# Altium PCB PCB1.PcbDoc (part 2 of 2)
Units mm, origin at the board's own origin, x right, y up, seen from the top; angles counter-clockwise.
Board outline 100.25 x 60.33 mm, 2 copper layers (Top Layer, Bottom Layer); 66 components, 155 nets, 397 pads, 41 vias.
Unrouted connection lines stored in the file: 16.
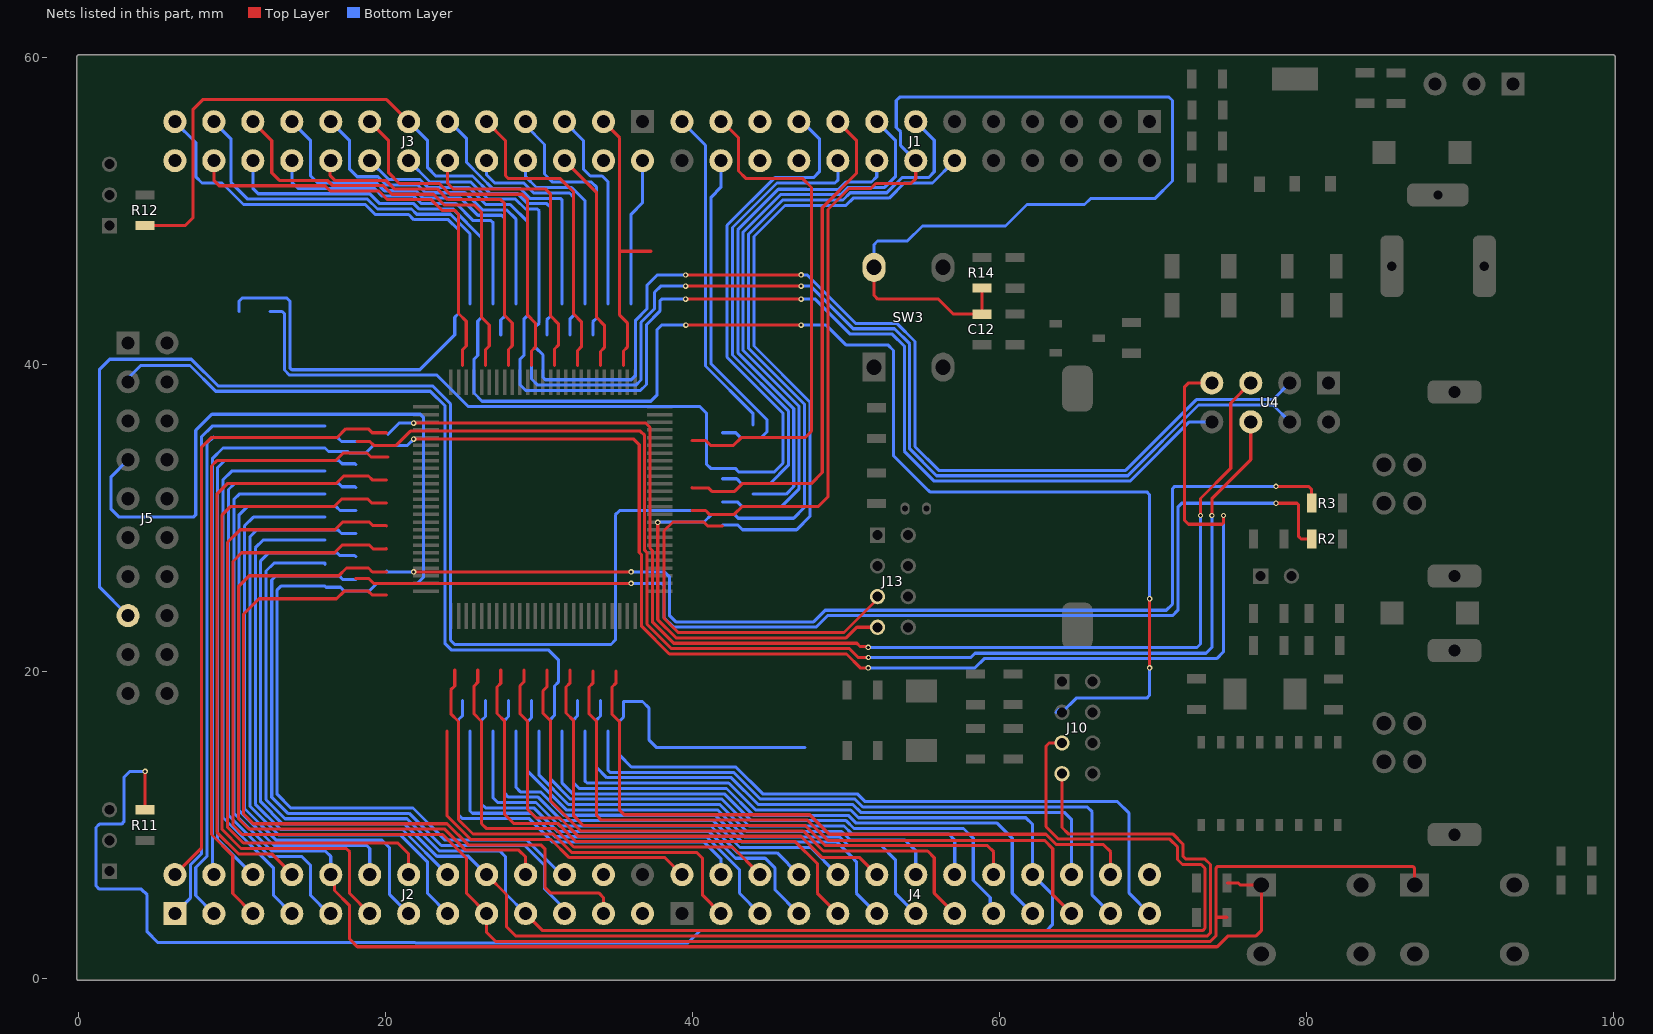
[diagram p2: the nets of this part, all layers, seen from the top]

## Via types
v1: diameter 0.35, hole 0.2, Top Layer to Bottom Layer, 41 vias

## Nets (pads, with @x,y where several pads share a name; then routed paths per layer and width w, separated by ;. In a path a pad name is that pad's centre, name@x,y a point inside that pad or via, vN(x,y) a via of type N, cw(c..) or ccw(c..) an arc to the next point about the centre after c; other vN are vias at no path point) (continued)
PIN12: J1.12 J13.5 | length 66.3
  Top Layer w0.2: 41.95,29.5 40.974,29.5 40.724,29.75 38.721,29.75 38.144,29.173 38.144,23.471 39.064,22.55 49.866,22.55 52.056,24.74 J13.5@52.056,24.892
  Bottom Layer w0.2: 41.95,29.571 42.931,29.571 43.252,29.25 46.781,29.25 47.646,30.115 47.646,37.576 44,41.222 44,48.362 46.023,50.385 49.989,50.385 50.466,50.862 52.809,50.862 53.794,51.847 55.632,51.847 J1.12@57.086,53.301
PIN13: J1.13 J13.7 | length 68.5
  Top Layer w0.2: v1(37.731,29.731) 37.731,23.388 38.919,22.2 50.011,22.2 50.704,22.892 J13.7@52.056,22.892
  Bottom Layer w0.2: v1(37.731,29.731) 37.75,29.75 40.746,29.75 41.246,30.25 41.539,30.25 42.725,30.25 42.975,30 46.585,30 47.296,30.711 47.296,37.431 43.65,41.077 43.65,48.507 45.878,50.735 49.802,50.735 50.279,51.212 52.664,51.212 53.649,52.197 55.372,52.197 55.753,52.578 55.753,54.634 J1.13@54.546,55.841
PIN14: J1.14
PIN15: J1.15 | length 39.3
  Bottom Layer w0.2: 41.95,31.071 42.916,31.071 43.237,30.75 45.77,30.75 46.946,31.926 46.946,37.286 43.3,40.932 43.3,48.652 45.733,51.085 49.657,51.085 50.134,51.562 52.519,51.562 53.213,52.256 53.213,54.634 J1.15@52.006,55.841
PIN16: J1.16 | length 32.6
  Bottom Layer w0.2: 43.95,31.571 46.096,31.571 46.596,32.071 46.596,37.141 42.95,40.787 42.95,48.796 45.593,51.439 47.416,51.439 47.421,51.435 49.512,51.435 49.989,51.912 51.662,51.912 52.006,52.256 J1.16@52.006,53.301
PIN17: J1.17 | length 33.4
  Top Layer w0.2: 39.95,32 39.968,31.982 41.027,31.982 41.259,31.75 42.74,31.75 43.24,32.25 44.361,32.25 47.725,32.25 48.45,32.975 48.45,50.244 50.673,52.467 50.673,54.634 J1.17@49.466,55.841
PIN18: J1.18 | length 31.4
  Bottom Layer w0.2: 41.95,32.571 42.873,32.571 43.194,32.25 43.539,32.25 44.361,32.25 45.052,32.25 46.246,33.444 46.246,36.996 42.6,40.642 42.6,48.941 45.506,51.847 49.288,51.847 49.466,52.025 J1.18@49.466,53.301
PIN19: J1.19 | length 70.5
  Bottom Layer w0.2: 12.45,43.475 13.25,43.475 13.4,43.325 13.4,39.66 13.735,39.325 23.345,39.325 25.395,37.275 40.482,37.275 40.906,36.851 40.906,33.519 41.175,33.25 42.781,33.25 43.031,33 43.95,33 45.307,33 45.896,33.589 45.896,36.851 42.25,40.497 42.25,49.086 45.361,52.197 47.879,52.197 48.26,52.578 48.26,54.737 47.156,55.841 J1.19@46.926,55.841
PIN20: J1.20
PIN21: J1.21
PIN22: J1.22
PIN23: J1.23 | length 33.1
  Top Layer w0.2: 39.95,35.071 39.956,35.065 40.85,35.065 41.165,34.75 42.669,34.75 43.169,35.25 43.539,35.25 44.361,35.25 47.325,35.25 47.75,35.675 47.75,51.55 47.15,52.15 43.465,52.15 42.99,52.625 42.99,54.801 41.95,55.841 J1.23@41.846,55.841
PIN24: J1.24 | length 22.6
  Bottom Layer w0.2: J1.24@41.846,53.301 41.846,51.561 41.211,50.926 41.211,40.051 44.846,36.416 44.846,35.634 44.462,35.25 43.135,35.25 42.814,35.571 41.95,35.571
PIN25: J1.25 | length 21.7
  Bottom Layer w0.2: J1.25@39.306,55.841 40.846,54.301 40.846,39.921 43.95,36.817 43.95,36.071
PIN26: J3.2 | length 9.7
  Bottom Layer w0.2: 36,43.95 36,49.812 36.74,50.552 J3.2@36.74,53.301
PIN27: J3.3 | length 18.7
  Top Layer w0.2: J3.3@34.2,55.841 35.25,54.791 35.25,47.4 ; 35.5,39.95 35.5,40.899 35.75,41.149 35.75,42.736 35.25,43.236 35.25,47.4 ; 37.291,47.4 35.25,47.4
PIN28: J3.4
PIN29: J3.5 | length 13.5
  Bottom Layer w0.2: J3.5@31.66,55.841 32.898,54.603 32.898,52.742 33.339,52.301 34.111,52.301 34.5,51.912 34.5,44.021 34.5,43.95
PIN30: J3.6 | length 14.5
  Top Layer w0.2: J3.6@31.66,53.301 33.75,51.211 33.75,43.085 34.25,42.585 34.25,41.12 34,40.87 34,40.021 34,39.95
PIN31: J3.7 | length 17.4
  Bottom Layer w0.2: J3.7@29.12,55.841 29.12,55.593 30.353,54.36 30.353,52.431 30.884,51.9 33.412,51.9 33.75,51.562 33.75,43.05 33.5,42.8 33.5,41.95
PIN32: J3.8 | length 12.3
  Bottom Layer w0.2: J3.8@29.12,53.301 29.12,52.256 29.826,51.55 32.121,51.55 33,50.671 33,44.021 33,43.95
PIN33: J3.9 | length 20.5
  Top Layer w0.2: J3.9@26.58,55.841 27.813,54.608 27.813,52.324 28.004,52.133 31.377,52.133 32.25,51.259 32.25,43.31 32.75,42.81 32.75,41.656 32.75,41.173 32.514,40.937 32.514,39.964 32.5,39.95
PIN34: J3.10 | length 16.3
  Bottom Layer w0.2: J3.10@26.58,53.301 26.58,52.366 27.099,51.847 29,51.847 29.647,51.2 31.976,51.2 32.25,50.926 32.25,43.225 32,42.975 32,41.95
PIN35: J3.11 | length 17.3
  Bottom Layer w0.2: J3.11@24.04,55.841 24.169,55.841 25.273,54.737 25.273,53.178 26.25,52.201 26.954,51.497 28.749,51.497 29.396,50.85 31.383,50.85 31.5,50.732 31.5,44.021 31.5,43.95
PIN36: J3.12 | length 20
  Top Layer w0.2: J3.12@24.04,53.301 24.04,51.816 24.39,51.466 30.392,51.466 30.75,51.108 30.75,43.176 31.25,42.676 31.25,41.275 31,41.025 31,40.021 31,39.95
PIN37: J3.13 R12.1 | length 46.3
  Top Layer w0.2: R12.1@4.318,49.071 6.921,49.071 7.45,49.6 7.45,56.653 8.075,57.278 20.063,57.278 J3.13@21.5,55.841
  Bottom Layer w0.2: J3.13@21.5,55.841 22.733,54.608 22.733,52.832 23.264,52.301 25.655,52.301 26.809,51.147 28.604,51.147 29.251,50.5 30.5,50.5 30.75,50.25 30.75,43.176 30.5,42.926 30.5,41.95
PIN38: J3.14 | length 87.2
  Top Layer w0.2: v1(39.55,45.85) 47.067,45.85 v1(47.075,45.858)
  Bottom Layer w0.2: J3.14@21.5,53.301 22.889,51.912 25.549,51.912 26.664,50.797 28.459,50.797 29.106,50.15 29.883,50.15 30,50.032 30,43.95 30,42.711 29.75,42.461 29.75,41.15 30.25,40.65 30.25,39.182 30.405,39.026 36.004,39.026 36.293,39.315 36.293,42.908 37.022,43.637 37.022,45.172 37.7,45.85 v1(39.55,45.85) ; v1(47.075,45.858) 47.46,45.858 50.618,42.7 53.311,42.7 54.499,41.512 54.499,34.663 56.043,33.119 68.224,33.119 72.83,37.725 77.825,37.725 78.92,38.82
PIN39: J3.15 | length 92.2
  Top Layer w0.2: J3.15@18.96,55.841 20.193,54.608 20.193,52.513 20.89,51.816 23.495,51.816 24.195,51.116 28.902,51.116 29.25,50.768 29.25,43.225 29.75,42.725 29.75,41.15 29.5,40.9 29.5,39.95 ; v1(39.55,45.125) v1(47.075,45.125)
  Bottom Layer w0.2: 29.5,39.95 29.5,39.075 29.9,38.675 36.305,38.675 36.643,39.013 36.643,42.763 37.522,43.642 37.522,44.722 37.925,45.125 v1(39.55,45.125) ; v1(47.075,45.125) 47.698,45.125 50.473,42.35 53.166,42.35 54.149,41.367 54.149,34.518 55.898,32.769 68.369,32.769 72.975,37.375 77.825,37.375 78.92,36.28
PIN40: J3.16 | length 83.7
  Top Layer w0.2: v1(39.55,44.275) v1(47.075,44.275)
  Bottom Layer w0.2: J3.16@18.96,53.301 20.191,52.07 22.236,52.07 22.744,51.562 25.404,51.562 26.519,50.447 28.116,50.447 29.25,49.313 29.25,43.539 ; 29.25,43.539 29.25,43.225 29,42.975 29,41.95 29,40.611 28.75,40.361 28.75,38.695 29.12,38.325 36.6,38.325 36.993,38.718 36.993,42.618 37.872,43.497 37.872,44.155 37.991,44.275 v1(39.55,44.275) ; v1(47.075,44.275) 48.004,44.275 50.279,42 53.021,42 53.799,41.222 53.799,34.373 55.753,32.419 68.514,32.419 72.375,36.28 73.84,36.28
PIN41: J3.17 | length 21.3
  Bottom Layer w0.2: J3.17@16.42,55.841 17.653,54.608 17.653,52.742 18.139,52.256 19.499,52.256 20.035,51.72 20.828,51.72 20.837,51.711 22.1,51.711 22.599,51.212 25.175,51.212 26.29,50.097 27.879,50.097 28.5,49.476 28.5,44.021 28.5,43.95
PIN42: J3.18 | length 24
  Top Layer w0.2: J3.18@16.42,53.301 16.383,53.264 16.383,52.324 16.686,52.021 20.005,52.021 20.56,51.466 23.35,51.466 24.05,50.766 27.5,50.766 27.75,50.516 27.75,43.539 27.74,43.529 27.74,43.236 28.25,42.726 28.25,41.249 28,40.999 28,40.021 28,39.95
PIN43: J3.19 | length 25.5
  Bottom Layer w0.2: J3.19@13.88,55.841 15.113,54.608 15.113,52.301 15.567,51.847 19.413,51.847 19.916,51.344 21.972,51.344 22.454,50.862 24.888,50.862 26.003,49.747 27.558,49.747 27.75,49.555 27.75,43.166 27.5,42.916 27.5,41.95
PIN44: J3.20 | length 20.9
  Bottom Layer w0.2: J3.20@13.88,53.301 13.88,51.9 14.282,51.497 19.268,51.497 19.771,50.994 21.827,50.994 22.309,50.512 24.592,50.512 25.707,49.397 26.869,49.397 27,49.266 27,43.95
PIN45: J3.21 | length 28.9
  Top Layer w0.2: J3.21@11.34,55.841 12.573,54.608 12.573,52.513 13.066,52.021 16.191,52.021 16.541,51.671 19.86,51.671 20.415,51.116 23.114,51.116 23.814,50.416 25.781,50.416 26.25,49.947 26.25,43.092 26.75,42.592 26.75,41.228 26.5,40.978 26.5,39.95
PIN46: J3.22 | length 105.3
  Top Layer w0.2: v1(39.558,42.585) v1(47.078,42.585) ; v1(69.786,20.25) v1(69.786,24.75)
  Bottom Layer w0.2: J3.22@11.34,53.301 11.34,51.497 11.69,51.147 18.96,51.147 19.608,50.499 21.827,50.499 22.164,50.162 24.37,50.162 26.25,48.282 26.25,43.092 26,42.842 26,41.95 26,40.611 25.75,40.361 25.75,39.725 25.75,38.156 26.281,37.625 37.276,37.625 37.693,38.043 37.693,42.298 37.98,42.585 v1(39.558,42.585) ; v1(47.078,42.585) 48.704,42.585 49.989,41.3 52.731,41.3 53.099,40.932 53.099,34.071 55.344,31.826 55.356,31.826 55.463,31.719 69.604,31.719 69.786,31.537 v1(69.786,24.75) ; 63.696,17.35 63.885,17.54 ; 64.075,17.35 65,18.275 69.604,18.275 69.786,18.457 v1(69.786,20.25)
PIN47: J3.23 | length 26
  Bottom Layer w0.2: J3.23@8.8,55.841 9.906,54.735 9.906,51.9 11.008,50.797 18.815,50.797 19.463,50.149 21.682,50.149 22.019,49.812 24.225,49.812 25.5,48.537 25.5,44.021 25.5,43.95
PIN48: J3.24 | length 28.3
  Top Layer w0.2: J3.24@8.8,53.301 8.8,52.021 9.152,51.669 16.048,51.669 16.396,51.321 19.558,51.321 20.113,50.766 22.969,50.766 23.669,50.066 24.5,50.066 24.75,49.816 24.75,43.815 24.75,43.338 25.25,42.838 25.25,41.228 25,40.978 25,40.021 25,39.95
PIN49: J3.25 | length 49.9
  Bottom Layer w0.2: J3.25@6.26,55.841 7.62,54.481 7.62,52.256 8.029,51.847 9.33,51.847 10.73,50.447 18.67,50.447 19.318,49.799 21.5,49.799 21.837,49.462 24.08,49.462 24.75,48.792 24.75,43.338 24.5,43.088 24.5,41.95 22.225,39.675 13.88,39.675 13.75,39.805 13.75,44.155 13.551,44.354 10.65,44.354 10.451,44.155 10.451,43.476 10.45,43.475
PIN50: J3.26
PIN51: J2.1 | length 40.1
  Bottom Layer w0.2: J2.1@6.26,4.23 7.27,5.24 7.27,7.397 8.001,8.128 8.001,35.309 8.692,36 16.05,36
PIN52: J2.2 | length 126.3
  Top Layer w0.2: J2.2@6.26,6.77 7.989,8.499 7.989,34.614 8.625,35.25 15.639,35.25 16.645,35.25 16.829,35.25 17.4,35.821 18.864,35.821 19.114,35.571 20.05,35.571 ; v1(21.825,36.2) 36.95,36.2 37.225,35.925 37.225,28.051 37.381,27.895 37.381,23.243 38.774,21.85 50.7,21.85 50.911,21.638 51.393,21.638 v1(51.45,21.581) ; v1(73.1,30.178) 73.1,31.281 75.075,33.256 75.075,37.515 76.38,38.82
  Bottom Layer w0.2: 20.152,35.469 20.883,36.2 v1(21.825,36.2) ; v1@51.45,21.575 72.875,21.575 73.1,21.8 v1(73.1,30.178)
PIN53: J2.3 | length 126.9
  Top Layer w0.2: 18.121,35 18.967,35 19.217,34.75 20.679,34.75 21.604,35.675 36.6,35.675 36.875,35.4 36.875,27.906 37.031,27.75 37.031,23.098 38.629,21.5 50.225,21.5 50.799,20.926 v1(51.453,20.926) ; v1(73.84,30.178) 73.84,31.277 76.38,33.817 76.38,36.28
  Bottom Layer w0.2: J2.3@8.8,4.23 7.62,5.41 7.62,7.239 8.351,7.97 8.351,34.871 8.765,35.285 8.801,35.25 16.461,35.25 16.873,35.25 17.123,35 18.05,35 ; v1(51.453,20.926) 58.138,20.926 58.412,21.2 73.465,21.2 73.84,21.575 v1(73.84,30.178)
PIN54: J2.4 | length 129.9
  Top Layer w0.2: v1(21.825,35.15) 36.171,35.15 36.525,34.796 36.525,27.761 36.681,27.605 36.681,22.953 38.485,21.15 50.028,21.15 50.928,20.25 v1(51.45,20.25) ; 73.84,38.82 72.336,38.82 72.05,38.534 72.05,29.879 72.321,29.608 74.508,29.608 74.6,29.7 v1(74.6,30.175)
  Bottom Layer w0.2: J2.4@8.8,6.77 8.701,6.869 8.701,33.881 9.391,34.571 16.05,34.571 16.274,34.347 17.542,34.347 17.639,34.25 18.461,34.25 ; 18.461,34.25 18.71,34.25 19.21,34.75 21.425,34.75 v1(21.825,35.15) ; v1(51.45,20.25) 58.41,20.25 59.01,20.85 74.154,20.85 74.6,21.296 v1(74.6,30.175)
PIN55: J2.5 | length 42.2
  Top Layer w0.2: J2.5@11.34,4.23 10.033,5.537 10.033,8.001 8.643,9.391 8.643,33.4 8.993,33.75 16.729,33.75 17.229,34.25 18.781,34.25 19.045,33.986 20.135,33.986
PIN56: J2.6 | length 36.8
  Bottom Layer w0.2: J2.6@11.34,6.77 9.051,9.059 9.051,33.308 9.493,33.75 16.962,33.75 17.161,33.552 17.998,33.552 18.05,33.5
PIN57: J2.7 | length 37
  Bottom Layer w0.2: J2.7@13.88,4.23 12.7,5.41 12.7,7.197 9.401,10.496 9.401,32.512 9.96,33.071 16.05,33.071
PIN58: J2.8 | length 39.7
  Top Layer w0.2: J2.8@13.88,6.77 13.88,6.821 12.573,8.128 10.401,8.128 8.993,9.536 8.993,31.568 9.675,32.25 15.639,32.25 16.756,32.25 17.256,32.75 18.874,32.75 19.124,32.5 20.05,32.5
PIN59: J2.9 | length 40.3
  Bottom Layer w0.2: J2.9@16.42,4.23 16.293,4.23 15.113,5.41 15.113,7.362 14.511,7.964 12.428,7.964 9.751,10.641 9.751,31.877 10.124,32.25 16.952,32.25 17.15,32.052 17.998,32.052 18.05,32
PIN60: J2.10 | length 105.2
  Top Layer w0.2: J2.10@16.42,6.77 16.669,6.521 16.669,5.731 17.653,4.747 17.653,2.574 18.155,2.072 74.194,2.072 74.907,2.786 76.73,2.786 77.066,3.122 77.066,6.096 77.062,6.1 75.69,6.1 75.567,6.223 74.84,6.223
  Bottom Layer w0.2: 16.05,31.571 10.453,31.571 10.101,31.219 10.101,10.786 12.573,8.314 16.07,8.314 16.42,7.964 J2.10@16.42,6.77
PIN61: J2.11 | length 45.2
  Top Layer w0.2: J2.11@18.96,4.23 17.653,5.537 17.653,8.255 17.43,8.478 10.575,8.478 9.343,9.71 9.343,30.218 9.875,30.75 16.627,30.75 17.127,31.25 18.461,31.25 18.829,31.25 19.079,31 20.05,31
PIN62: J2.12 | length 38.4
  Bottom Layer w0.2: 18.05,30.5 17.018,30.5 16.768,30.75 10.975,30.75 10.451,30.226 10.451,10.931 12.718,8.664 18.768,8.664 18.96,8.472 J2.12@18.96,6.77
PIN63: J2.13 | length 39.2
  Bottom Layer w0.2: 16.05,30.071 11.372,30.071 10.801,29.5 10.801,11.076 12.863,9.014 19.756,9.014 20.261,8.509 20.261,5.469 J2.13@21.5,4.23
PIN64: J2.14 | length 43.5
  Top Layer w0.2: 16.531,29.25 16.697,29.25 17.197,29.75 18.928,29.75 19.15,29.528 20.022,29.528 20.05,29.5 ; 16.531,29.25 10.516,29.25 9.693,28.427 9.693,9.855 10.72,8.828 20.787,8.828 21.5,8.115 J2.14@21.5,6.77
PIN65: J2.15 | length 41.8
  Bottom Layer w0.2: 18.05,29 17.123,29 16.873,29.25 11.6,29.25 11.151,28.801 11.151,11.221 13.008,9.364 20.951,9.364 22.733,7.582 22.733,5.537 J2.15@24.04,4.23
PIN66: J2.16 | length 35.9
  Bottom Layer w0.2: 16.05,28.571 12.005,28.571 11.501,28.067 11.501,11.366 13.153,9.714 21.096,9.714 J2.16@24.04,6.77
PIN67: J2.17 | length 116.4
  Top Layer w0.2: 19.979,28 19.178,28 18.928,28.25 17.162,28.25 16.662,27.75 10.608,27.75 10.043,27.185 10.043,10 10.656,9.386 23.71,9.386 25.273,7.824 25.273,5.537 J2.17@26.58,4.23 26.58,2.994 27.152,2.422 73.751,2.422 74.101,2.772 74.101,4.03 ; 20.014,28.035 20.05,28 ; 74.84,3.992 74.14,3.992 74.101,4.03 ; 87.062,6.096 87.062,7.179 86.933,7.308 80.292,7.308 74.23,7.308 74.101,7.179 74.101,4.03
PIN68: J2.18 | length 108.2
  Top Layer w0.2: J2.18@26.58,6.77 27.879,5.471 27.879,3.369 28.476,2.772 73.547,2.772 73.751,2.976 73.751,7.433 73.401,7.783 72.158,7.783 71.95,7.991 71.95,8.77 71.29,9.43 64.484,9.43 64.075,9.839 64.075,13.35
  Bottom Layer w0.2: 18.05,27.5 17.979,27.571 17.006,27.571 16.827,27.75 12.38,27.75 11.851,27.221 11.851,11.511 13.298,10.064 21.241,10.064 23.335,7.97 25.38,7.97 J2.18@26.58,6.77
PIN69: J2.19 | length 107.5
  Top Layer w0.2: J2.19@29.12,4.23 30.228,3.122 73.244,3.122 73.401,3.28 73.401,7.179 73.148,7.433 71.925,7.433 71.6,7.758 71.6,8.581 71.101,9.08 63.85,9.08 63.031,9.899 63.031,15.148 63.234,15.35 64.075,15.35
  Bottom Layer w0.2: 16.05,27 16.05,27.071 12.716,27.071 12.201,26.556 12.201,11.656 13.443,10.414 21.386,10.414 23.48,8.32 27.431,8.32 27.813,7.938 27.813,5.537 J2.19@29.12,4.23
PIN70: J2.20 | length 46.3
  Top Layer w0.2: 20.05,26.5 19.13,26.5 18.88,26.75 17.448,26.75 16.948,26.25 11.109,26.25 10.393,25.534 10.393,10.435 11.092,9.736 23.855,9.736 25.226,8.366 28.67,8.366 29.12,7.916 J2.20@29.12,6.77
PIN71: J2.21 | length 43.2
  Bottom Layer w0.2: 18.05,26 17.223,26 16.973,26.25 16.461,26.25 15.639,26.25 12.852,26.25 12.573,25.971 12.573,11.814 13.623,10.764 21.531,10.764 23.625,8.67 29.062,8.67 30.353,7.379 30.353,5.842 31.66,4.535 J2.21@31.66,4.23
PIN72: J2.22 | length 85.1
  Bottom Layer w0.2: 3.211,33.81 2.111,32.711 2.111,30.585 2.625,30.071 7.465,30.071 7.62,30.226 7.62,35.725 8.67,36.775 22.25,36.775 22.475,36.55 22.475,26.166 22.059,25.75 19.412,25.75 18.912,25.25 17.299,25.25 17.049,25.5 16.121,25.5 16.05,25.571 13.166,25.571 12.923,25.328 12.923,12.002 13.811,11.114 21.779,11.114 23.873,9.02 29.207,9.02 31.457,6.77 J2.22@31.66,6.77
PIN73: J2.23 | length 51.3
  Top Layer w0.2: 20.05,25 19.117,25 18.867,25.25 17.299,25.25 16.799,24.75 11.737,24.75 10.743,23.756 10.743,10.72 11.377,10.086 24,10.086 25.371,8.716 30.108,8.716 30.392,8.432 30.392,5.926 30.754,5.563 33.908,5.563 34.2,5.272 J2.23@34.2,4.23
PIN74: J2.24
PIN75: J2.25
PIN76: J4.2 | length 22.4
  Top Layer w0.2: 24,16.121 24,16.05 24,10.602 25.536,9.066 30.777,9.066 31.969,7.874 38.202,7.874 J4.2@39.306,6.77
PIN77: J4.3 | length 31.1
  Top Layer w0.2: 24.5,20.121 24.5,20.05 24.5,19.068 24.25,18.818 24.25,17.25 24.75,16.75 24.75,10.357 25.691,9.416 30.922,9.416 32.114,8.224 40.258,8.224 40.659,7.824 40.659,5.418 J4.3@41.846,4.23
PIN78: J4.4 | length 26.9
  Bottom Layer w0.2: 25,18.121 25,17.126 24.75,16.876 24.75,10.67 25,10.42 29.359,10.42 30.889,8.89 40.761,8.89 41.846,7.805 J4.4@41.846,6.77
PIN79: J4.5 | length 27.8
  Bottom Layer w0.2: 25.5,16.121 25.5,10.924 25.654,10.77 29.504,10.77 31.034,9.24 40.906,9.24 43.053,7.093 43.053,5.563 J4.5@44.386,4.23
PIN80: J4.6 | length 29.9
  Top Layer w0.2: 26,20.121 26,19.3 25.75,19.05 25.75,17.25 26.25,16.75 26.25,10.096 26.58,9.766 31.067,9.766 32.259,8.574 42.607,8.574 44.386,6.795 J4.6@44.386,6.77
PIN81: J4.7 | length 31.3
  Bottom Layer w0.2: 26.5,18.121 26.5,18.05 26.5,17.075 26.25,16.825 26.25,11.37 26.5,11.12 29.649,11.12 31.179,9.59 41.051,9.59 42.804,7.837 44.734,7.837 45.386,7.185 45.386,5.77 J4.7@46.926,4.23
PIN82: J4.8 | length 26.3
  Bottom Layer w0.2: 27,16.121 27,11.771 27.301,11.47 29.794,11.47 31.324,9.94 41.196,9.94 42.949,8.187 45.509,8.187 J4.8@46.926,6.77
PIN83: J4.9 | length 35.3
  Top Layer w0.2: 27.5,20.121 27.5,20.05 27.5,19.246 27.25,18.996 27.25,17.274 27.75,16.774 27.75,10.696 28.33,10.116 31.212,10.116 32.404,8.924 46.702,8.924 48.133,7.493 48.133,5.563 J4.9@49.466,4.23
PIN84: J4.10 | length 30.1
  Bottom Layer w0.2: 28,18.121 28,17.078 27.75,16.828 27.75,16.256 27.75,12.067 27.997,11.82 29.939,11.82 31.469,10.29 41.341,10.29 43.094,8.537 47.699,8.537 J4.10@49.466,6.77
PIN85: J4.11 | length 31.8
  Bottom Layer w0.2: 28.5,16.121 28.5,12.449 28.779,12.17 30.084,12.17 31.614,10.64 41.486,10.64 43.239,8.887 49.429,8.887 50.371,7.945 50.371,7.922 50.673,7.62 50.673,5.563 J4.11@52.006,4.23
PIN86: J4.12 | length 33.9
  Top Layer w0.2: 29,20.121 29,20.05 29,19.326 28.75,19.076 28.75,17.25 29.25,16.75 29.25,11.019 29.803,10.466 31.357,10.466 32.549,9.274 47.062,9.274 48.462,7.874 50.902,7.874 J4.12@52.006,6.77
PIN87: J4.13 | length 35.1
  Bottom Layer w0.2: 29.5,18.121 29.5,17.001 29.25,16.751 29.25,16.532 29.25,13.499 31.759,10.99 41.631,10.99 43.384,9.237 49.574,9.237 50.147,8.664 52.296,8.664 53.213,7.747 53.213,5.563 J4.13@54.546,4.23
PIN88: J4.14 | length 31
  Bottom Layer w0.2: 30,16.121 30,13.244 31.904,11.34 41.776,11.34 43.529,9.587 49.719,9.587 50.292,9.014 53.851,9.014 54.546,8.319 J4.14@54.546,6.77
PIN89: J4.15 | length 39.6
  Top Layer w0.2: 30.5,20.121 30.5,20.05 30.5,18.996 30.25,18.746 30.25,18.532 30.25,17.282 30.75,16.782 30.75,11.568 32.694,9.624 47.207,9.624 48.523,8.308 55.319,8.308 55.753,7.874 55.753,5.563 J4.15@57.086,4.23
PIN90: J4.16 | length 83.8
  Bottom Layer w0.2: 3.048,38.961 4.037,39.95 7.246,39.95 8.921,38.275 22.91,38.275 23.875,37.31 23.875,21.82 24.27,21.425 30.6,21.425 31.25,20.775 31.25,19.318 31,19.068 31,18.05 31,17.157 30.75,16.907 30.75,12.989 32.049,11.69 41.921,11.69 43.674,9.937 49.866,9.937 50.376,9.428 56.675,9.428 57.086,9.017 J4.16@57.086,6.77
PIN91: J4.17 | length 37.1
  Bottom Layer w0.2: 31.5,16.121 31.5,12.734 32.194,12.04 42.066,12.04 43.819,10.287 50.011,10.287 50.521,9.778 57.657,9.778 58.293,9.141 58.293,6.387 59.399,5.28 59.399,4.457 J4.17@59.626,4.23
PIN92: J4.18 | length 39.7
  Top Layer w0.2: 32,20.121 32,20.05 32,19.246 31.75,18.996 31.75,17.3 32.25,16.8 32.25,10.607 32.883,9.974 47.352,9.974 48.668,8.658 59.223,8.658 59.626,8.255 J4.18@59.626,6.77
PIN93: J4.19 | length 41
  Bottom Layer w0.2: 32.5,18.121 32.5,18.05 32.5,17.125 32.25,16.875 32.25,12.742 32.598,12.394 32.968,12.394 32.972,12.39 42.211,12.39 43.964,10.637 50.156,10.637 50.666,10.128 59.849,10.128 60.833,9.144 60.833,5.563 J4.19@62.166,4.23
PIN94: J4.20 R11.1 | length 119.2
  Top Layer w0.2: R11.1@4.318,11 v1(4.318,13.5)
  Bottom Layer w0.2: v1(4.318,13.5) v1(4.318,13.5) 3.332,13.499 2.938,13.104 2.938,10.209 2.793,10.064 1.335,10.064 1.114,9.843 1.114,6.046 1.335,5.825 4.075,5.825 4.45,5.45 4.45,3.043 5.143,2.35 21.924,2.35 21.949,2.325 39.7,2.325 40.506,3.131 63.081,3.131 63.45,3.5 63.45,5.486 J4.20@62.166,6.77 62.166,10.035 61.723,10.477 50.811,10.477 50.301,10.987 44.109,10.987 42.356,12.74 33.117,12.74 33,12.857 33,16.05 33,16.121
PIN95: J4.21 | length 45.1
  Top Layer w0.2: 33.5,20.05 33.5,19.246 33.25,18.996 33.25,17.25 33.75,16.75 33.75,10.624 34.05,10.324 47.497,10.324 48.813,9.008 62.932,9.008 63.475,8.465 63.475,5.461 J4.21@64.706,4.23
PIN96: J4.22 | length 40.4
  Bottom Layer w0.2: 34,18.121 34,17.109 33.75,16.859 33.75,13.757 34.417,13.09 42.527,13.09 44.28,11.337 50.446,11.337 50.956,10.827 64.23,10.827 64.706,10.351 J4.22@64.706,6.77
PIN97: J4.23 | length 42.3
  Bottom Layer w0.2: 34.5,16.121 34.5,13.557 34.617,13.44 42.672,13.44 44.425,11.687 50.591,11.687 51.101,11.177 65.722,11.177 66.04,10.859 66.04,5.436 J4.23@67.246,4.23
PIN98: J4.24 | length 44
  Top Layer w0.2: 35,20.05 35,19.246 34.75,18.996 34.75,17.224 35.25,16.724 35.25,10.97 35.546,10.674 47.642,10.674 48.912,9.404 63.031,9.404 63.705,8.73 66.771,8.73 67.246,8.255 J4.24@67.246,6.77
PIN99: J4.25 | length 59.7
  Bottom Layer w0.2: 47.325,15.05 37.665,15.05 37.15,15.565 37.15,17.64 36.74,18.05 35.5,18.05 35.5,17.032 35.25,16.782 35.25,14.547 36.007,13.79 42.816,13.79 44.569,12.037 50.736,12.037 51.245,11.527 67.69,11.527 68.453,10.764 68.453,5.563 J4.25@69.786,4.23
PIN100: J4.26
RESET: C12.1 J5.15 R14.1 SW3.2 | length 178.2
  Top Layer w0.2: 39.95,30.5 40.85,30.5 41.094,30.256 41.094,30.25 41.539,30.25 42.543,30.25 42.725,30.25 43.225,30.75 44.1,30.75 48.175,30.75 48.824,31.399 48.824,50.123 50.195,51.494 50.743,51.494 50.75,51.501 51.628,51.501 51.943,51.816 54.229,51.816 54.546,52.133 54.546,53.301 ; SW3.2@51.825,46.35 51.825,44.525 52.075,44.275 56.033,44.275 57.008,43.3 C12.1@58.85,43.3 R14.1@58.85,45
  Bottom Layer w0.2: J5.15@3.211,23.65 1.335,25.526 1.335,39.678 2.018,40.361 7.33,40.361 9.066,38.625 23.055,38.625 24.225,37.455 24.225,22.05 24.5,21.775 34.681,21.775 34.97,22.064 34.97,30.22 35.25,30.5 39.879,30.5 ; SW3.2@51.825,46.35 51.825,47.831 52.056,48.062 53.996,48.062 54.981,49.047 60.397,49.047 61.797,50.447 65.55,50.447 65.931,50.828 70.126,50.828 71.275,51.977 71.275,57.225 71.055,57.445 53.495,57.445 53.275,57.225 53.275,55.469 53.563,55.181 53.563,54.284 54.546,53.301
SPI2_MISO: U4.6
SPI2_MOSI: U4.7
SPI2_SCK: U4.5
UART1_RX: J10.5
UART1_TX: J10.7
USBDM: R3.2 | length 72.2
  Top Layer w0.2: v1(21.825,26.5) v1(36,26.5) ; v1(78.025,32.075) 80.142,32.075 80.35,31.867 R3.2@80.35,30.977
  Bottom Layer w0.2: 20.05,26.5 v1(21.825,26.5) ; 20.05,26.571 20.068,26.553 ; v1(36,26.5) 38.184,26.5 38.489,26.196 38.489,23.675 38.914,23.25 47.895,23.25 48.645,24 70.875,24 71.275,24.4 71.275,31.926 71.424,32.075 v1(78.025,32.075)
USBDP: R2.2 | length 74.3
  Top Layer w0.2: 18.05,26.071 18.896,26.071 19.217,25.75 v1(36,25.752) v1(36,25.752) ; v1(78.025,30.977) 79.383,30.977 79.5,30.86 79.5,28.8 79.65,28.65 R2.2@80.35,28.65
  Bottom Layer w0.2: v1(36,25.752) 37.991,25.752 38.139,25.604 38.139,23.53 38.769,22.9 48.04,22.9 48.79,23.65 71.275,23.65 71.625,24 71.625,30.725 71.877,30.977 v1(78.025,30.977)
pads on no net: J5.11 J5.17 J5.19 J7.3 J8.S1 J8.S2 J9.S1 J9.S2 SW1.2 SW1.3 SW2.2 SW2.3 SW3.1 SW3.4 U1.1 U1.2 U1.3 U1.4 U1.5 U1.6 U1.7 U1.8 U1.9 U1.10 U1.11 U1.12 U1.13 U1.14 U1.15 U1.16 U1.17 U1.18 U1.19 U1.20 U1.21 U1.22 U1.23 U1.24 U1.25 U1.26 U1.27 U1.28 U1.29 U1.30 U1.31 U1.32 U1.33 U1.34 U1.35 U1.36 U1.37 U1.38 U1.39 U1.40 U1.41 U1.42 U1.43 U1.44 U1.45 U1.46 U1.47 U1.48 U1.49 U1.50 U1.51 U1.52 U1.53 U1.54 U1.55 U1.56 U1.57 U1.58 U1.59 U1.60 U1.61 U1.62 U1.63 U1.64 U1.65 U1.66 U1.67 U1.68 U1.69 U1.70 U1.71 U1.72 U1.73 U1.74 U1.75 U1.76 U1.77 U1.78 U1.79 U1.80 U1.81 U1.82 U1.83 U1.84 U1.85 U1.86 U1.87 U1.88 U1.89 U1.90 U1.91 U1.92 U1.93 U1.94 U1.95 U1.96 U1.97 U1.98 U1.99 U1.100 U2.4 U3.9 U3.10 U3.11 U3.12 U3.13 U3.14 U3.15
copper on no net: | length 58.6
  Top Layer w0.2: 10.45,41.475 10.45,39.832 10.743,39.539 12.376,39.539 ; 16.05,24 16.05,19.311 16.293,19.068 23.2,19.068 23.45,19.318 23.45,20.875 23.725,21.15 35.875,21.15 36.25,20.775 36.25,17.114 36,16.864 36,16.05 ; 17.05,12.609 19.378,12.609
  Bottom Layer w0.2: 15.05,12.609 15.05,13.896 15.635,14.481 21.096,14.481 22.475,15.86 22.475,24.584 22.059,25 20.05,25

## Silkscreen, mask and mechanical layers (free items; w line width, h text height)
Top Overlay:
  lines w0.254: 82.721,35.019 82.721,40.02 72.57,40.02 72.57,35.01 82.73,35.01 ; 4.991,52.031 4.991,57.111 71.056,57.111 71.056,52.031 71.056,52.031 4.991,52.031 ; 4.991,52.031 4.991,52.031 ; 71.055,2.96 4.99,2.96 4.99,8.04 71.055,8.04 ; 71.055,2.96 71.055,2.96 ; 71.055,2.96 71.055,8.04 ; 71.055,8.04 71.055,8.04 ; 1,6 3,6 3,12 1,12 1,6 ; 1,48.071 3,48.071 3,54.071 1,54.071 1,48.071 ; 14.05,11.609 18.05,11.609 18.05,13.609 14.05,13.609 14.05,11.609 ; 36.291,46.4 40.291,46.4 40.291,48.4 36.291,48.4 36.291,46.4 ; 46.725,14.024 48.725,14.024 48.725,18.024 46.725,18.024 46.725,14.024 ; 87.122,57.023 94.742,57.023 94.742,59.563 87.122,59.563 87.122,57.023
  text "GND" at 36.15,59.75 h0.8 r270
  text "49" at 5.75,59.5 h1.3 r270
  text "47" at 8.175,59.5 h1.3 r270
  text "45" at 10.8,59.5 h1.3 r270
  text "43" at 13.226,59.5 h1.3 r270
  text "35" at 23.325,59.5 h1.3 r270
  text "25" at 38.621,59.5 h1.3 r270
  text "23" at 41.225,59.5 h1.3 r270
  text "21" at 43.65,59.5 h1.3 r270
  text "19" at 46.225,59.5 h1.3 r270
  text "13" at 53.95,59.5 h1.3 r270
  text "07" at 61.5,59.5 h1.3 r270
  text "03" at 66.625,59.5 h1.3 r270
  text "41" at 15.7,59.49 h1.3 r270
  text "39" at 18.25,59.49 h1.3 r270
  text "37" at 20.85,59.49 h1.3 r270
  text "33" at 26,59.49 h1.3 r270
  text "31" at 28.5,59.49 h1.3 r270
  text "29" at 31,59.49 h1.3 r270
  text "27" at 33.5,59.49 h1.3 r270
  text "17" at 48.775,59.49 h1.3 r270
  text "15" at 51.475,59.49 h1.3 r270
  text "11" at 56.55,59.49 h1.3 r270
  text "09" at 58.925,59.49 h1.3 r270
  text "05" at 63.934,59.49 h1.3 r270
  text "01" at 69.2,59.35 h1.3 r270
  text "26" at 36.099,51.859 h1.3 r270
  text "06" at 64.103,51.86 h1.3 r270
  text "VCC" at 5.693,51.825 h0.8 r270
  text "48" at 8.233,51.825 h1.3 r270
  text "46" at 10.683,51.825 h1.3 r270
  text "44" at 13.312,51.825 h1.3 r270
  text "42" at 15.852,51.825 h1.3 r270
  text "40" at 18.392,51.823 h1.3 r270
  text "38" at 20.932,51.823 h1.3 r270
  text "36" at 23.472,51.823 h1.3 r270
  text "34" at 25.933,51.823 h1.3 r270
  text "32" at 28.552,51.825 h1.3 r270
  text "30" at 31.103,51.823 h1.3 r270
  text "VCC" at 33.632,51.823 h0.8 r270
  text "VCC" at 38.875,51.825 h0.8 r270
  text "24" at 41.279,51.823 h1.3 r270
  text "22" at 43.818,51.822 h1.3 r270
  text "20" at 46.358,51.822 h1.3 r270
  text "18" at 48.898,51.822 h1.3 r270
  text "16" at 51.438,51.822 h1.3 r270
  text "14" at 53.978,51.822 h1.3 r270
  text "12" at 56.274,51.822 h1.3 r270
  text "10" at 58.987,51.822 h1.3 r270
  text "08" at 61.429,51.822 h1.3 r270
  text "04" at 66.525,51.822 h1.3 r270
  text "02" at 69.2,51.821 h1.3 r270
  text "52" at 5.751,10.5 h1.3 r270
  text "54" at 8.179,10.5 h1.3 r270
  text "56" at 10.719,10.5 h1.3 r270
  text "58" at 13.259,10.5 h1.3 r270
  text "60" at 15.799,10.5 h1.3 r270
  text "62" at 18.339,10.5 h1.3 r270
  text "64" at 20.879,10.5 h1.3 r270
  text "66" at 23.419,10.5 h1.3 r270
  text "68" at 25.959,10.5 h1.3 r270
  text "70" at 28.499,10.5 h1.3 r270
  text "72" at 31.039,10.5 h1.3 r270
  text "VCC" at 36.3,10.5 h0.8 r270
  text "76" at 38.686,10.5 h1.3 r270
  text "78" at 41.225,10.5 h1.3 r270
  text "80" at 43.765,10.5 h1.3 r270
  text "82" at 46.305,10.5 h1.3 r270
  text "84" at 48.845,10.5 h1.3 r270
  text "86" at 51.385,10.5 h1.3 r270
  text "88" at 53.925,10.5 h1.3 r270
  text "90" at 56.465,10.5 h1.3 r270
  text "92" at 59.005,10.5 h1.3 r270
  text "94" at 61.545,10.5 h1.3 r270
  text "96" at 64.085,10.5 h1.3 r270
  text "98" at 66.625,10.5 h1.3 r270
  text "VCC" at 69.2,10.5 h0.8 r270
  text "GND" at 33.825,10.45 h0.8 r270
  text "51" at 5.539,2.695 h1.3 r270
  text "53" at 8.079,2.694 h1.3 r270
  text "55" at 10.619,2.681 h1.3 r270
  text "57" at 13.159,2.692 h1.3 r270
  text "59" at 15.699,2.681 h1.3 r270
  text "61" at 18.239,2.681 h1.3 r270
  text "63" at 20.779,2.681 h1.3 r270
  text "67" at 25.859,2.692 h1.3 r270
  text "69" at 28.399,2.691 h1.3 r270
  text "71" at 30.949,2.689 h1.3 r270
  text "VCC" at 36.3,2.692 h0.8 r270
  text "77" at 41.125,2.687 h1.3 r270
  text "79" at 43.665,2.685 h1.3 r270
  text "81" at 46.205,2.684 h1.3 r270
  text "85" at 51.285,2.682 h1.3 r270
  text "87" at 53.825,2.681 h1.3 r270
  text "65" at 23.319,2.679 h1.3 r270
  text "73" at 33.479,2.679 h1.3 r270
  text "83" at 48.745,2.678 h1.3 r270
  text "89" at 56.365,2.679 h1.3 r270
  text "91" at 58.92,2.678 h1.3 r270
  text "93" at 61.445,2.678 h1.3 r270
  text "95" at 63.985,2.678 h1.3 r270
  text "97" at 66.525,2.678 h1.3 r270
  text "99" at 69.065,2.676 h1.3 r270
  text "GND" at 38.95,2.65 h0.8 r270
Mechanical 1:
  drawing of 325 lines, arcs and shapes, not listed